# Altium PCB old-CPU-board-multi.PcbDoc (part 3 of 3)
Units mil, origin at the board's own origin, x right, y up, seen from the top; angles counter-clockwise.
Board outline 4897 x 3097 mil, 5 copper layers (L1, L1-2, L2, L3, L4); 329 components, 255 nets, 1009 pads, 327 vias.
Unrouted connection lines stored in the file: 94.
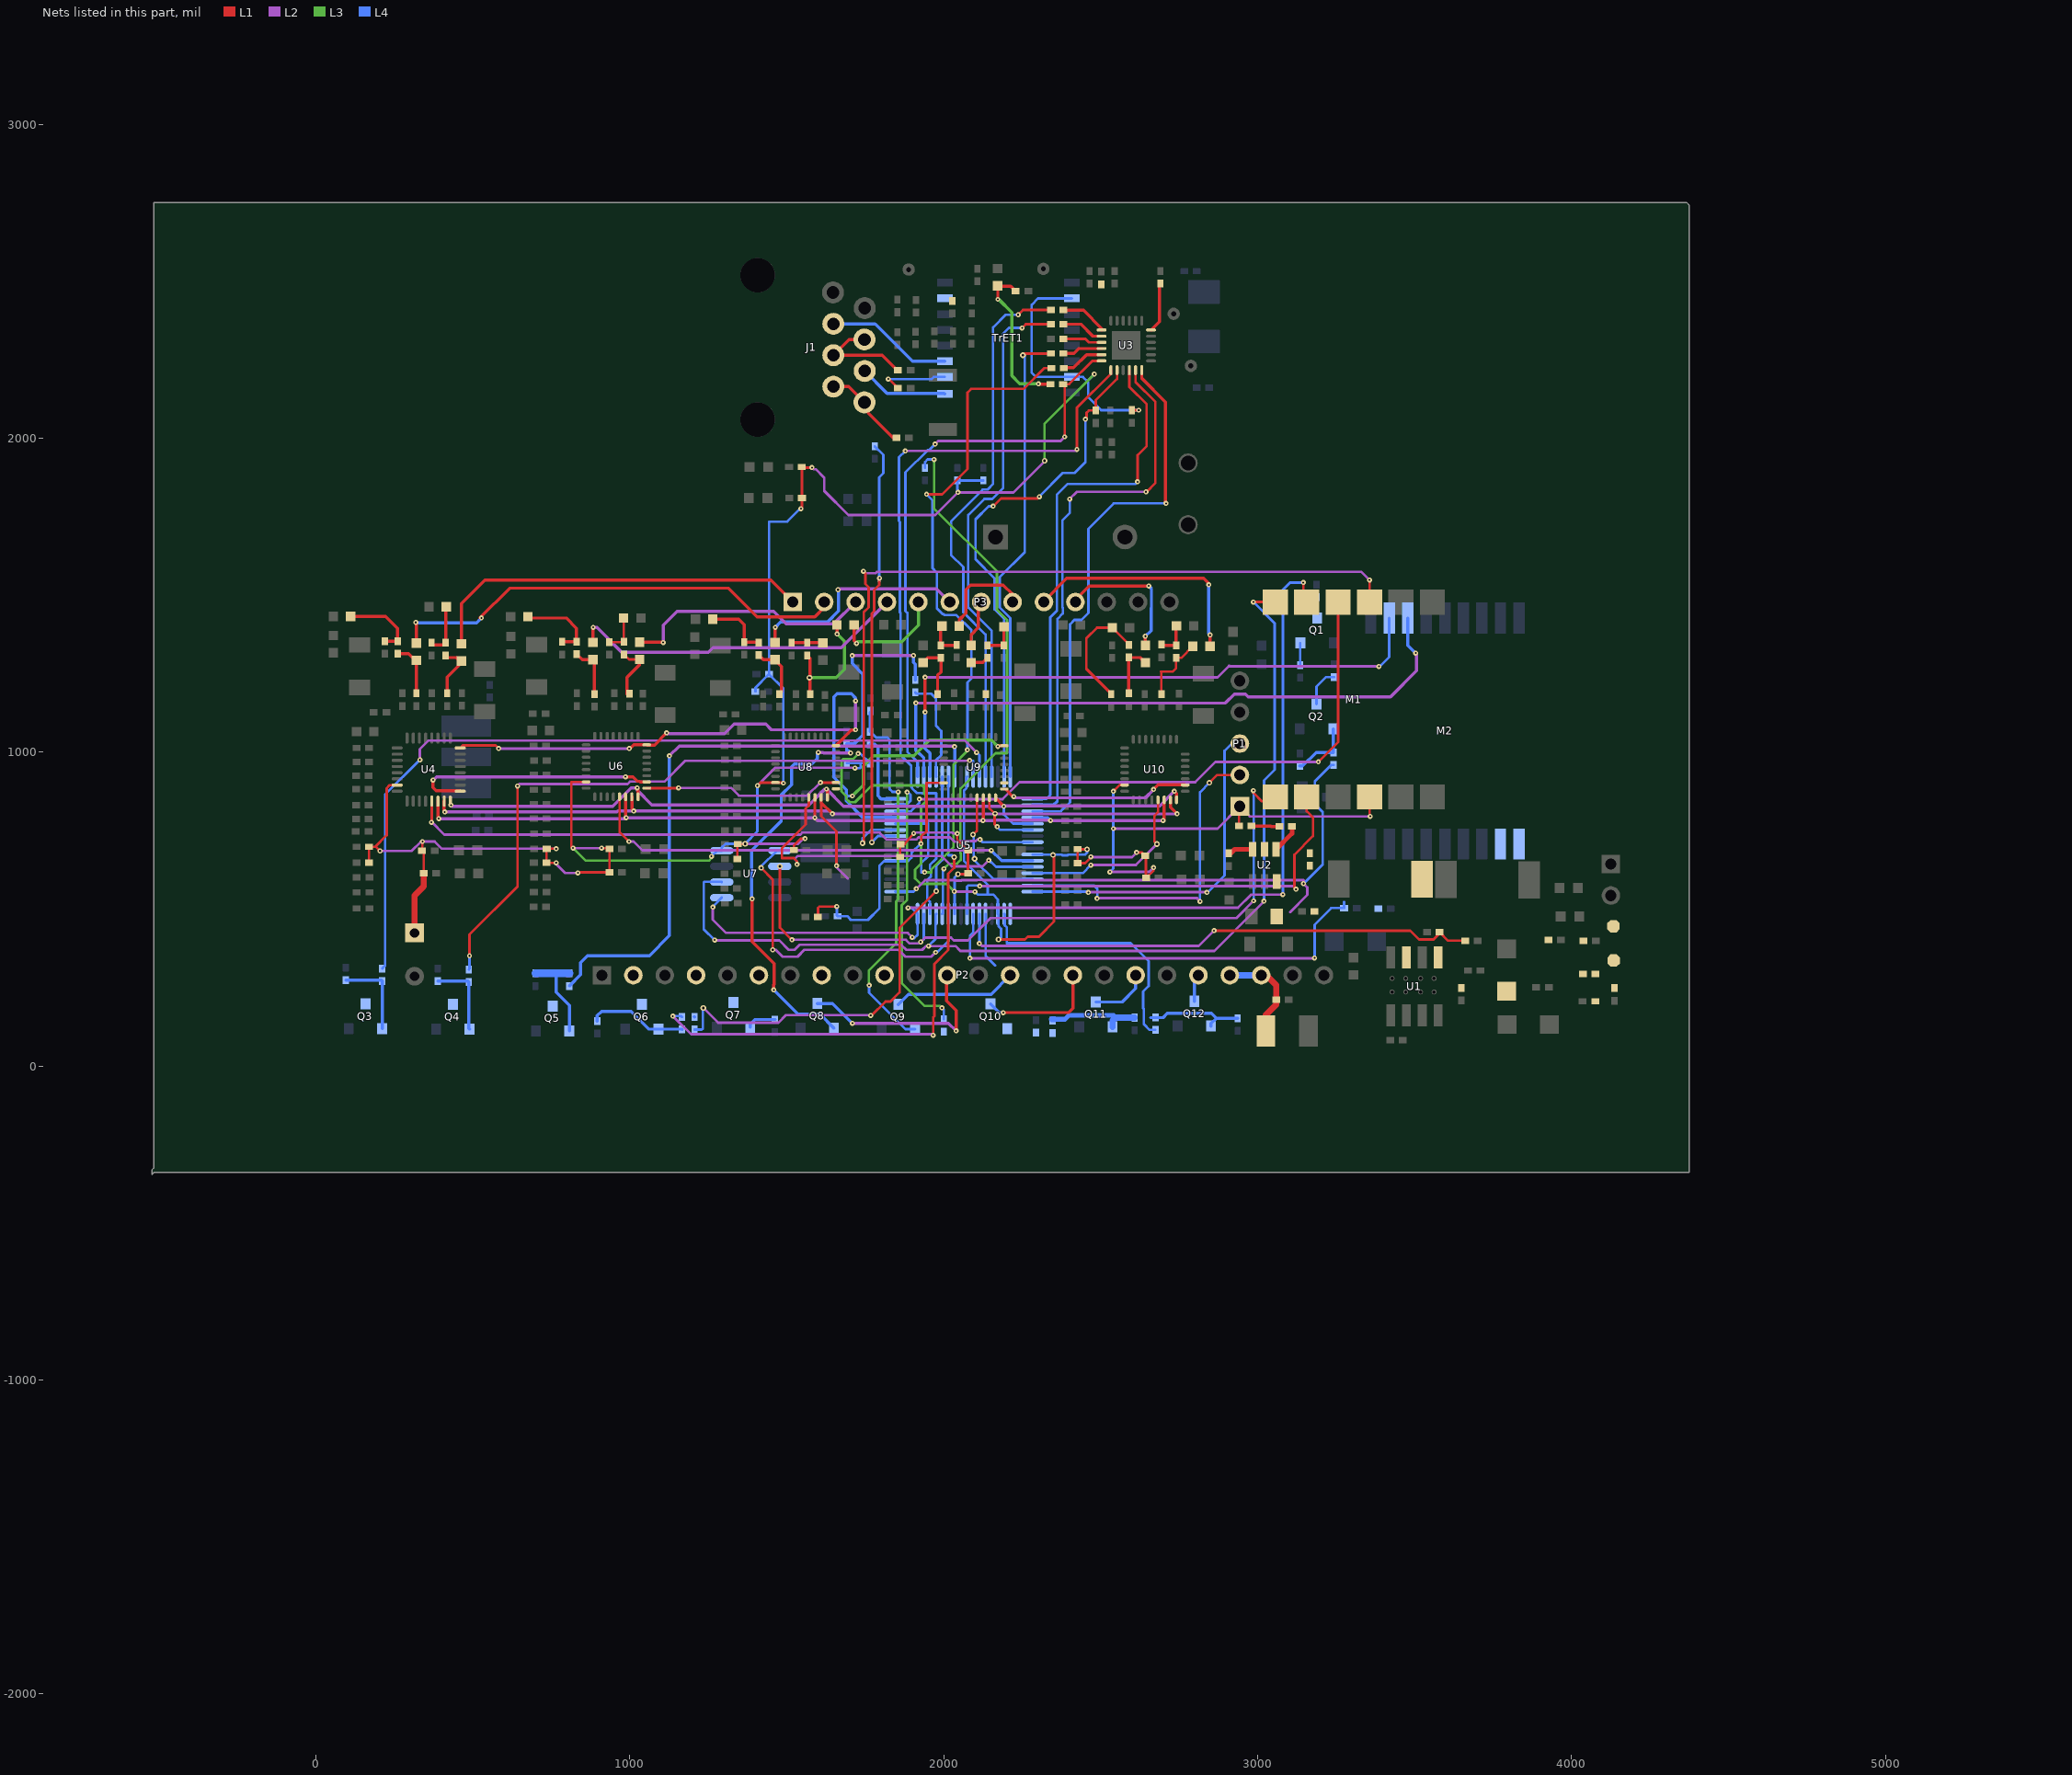
[diagram p5: the nets of this part, all layers, seen from the top]

## Via types
v1: diameter 16, hole 6, L1 to L4, 104 vias
v2: diameter 16, hole 6, L1 to L2, 95 vias
v3: diameter 16, hole 6, L2 to L4, 75 vias
v4: diameter 18, hole 8, L1 to L4, 23 vias
v5: diameter 16, hole 6, L3 to L4, 14 vias
v6: diameter 16, hole 6, L1 to L3, 9 vias
v7: diameter 25.98, hole 12.99, L1 to L4, tented top, 4 vias
v8: diameter 17.72, hole 7.87, L2 to L3, 3 vias

## Nets (pads, with @x,y where several pads share a name; then routed paths per layer and width w, separated by ;. In a path a pad name is that pad's centre, name@x,y a point inside that pad or via, vN(x,y) a via of type N, cw(c..) or ccw(c..) an arc to the next point about the centre after c; other vN are vias at no path point) (continued)
NetJ1_3: J1.3 TrET1.11 | length 404.3
  L4 w10: J1.3@1648,2364 1781,2364 1900,2245 TrET1.11@2003,2245
NetJ1_4: J1.4 J1.5 R27.1 | length 345.6
  L1 w10: J1.4@1747,2314 1698,2314 J1.5@1648,2264 1804,2264 1852,2216 R27.1@1854,2216
NetJ1_6: J1.6 TrET1.9 | length 285.4
  L4 w10: J1.6@1748,2214 1819,2143 2000.67,2143 TrET1.9@2003,2140.67
NetJ1_7: J1.7 J1.8 R34.1 | length 241.4
  L1 w10: J1.7@1648,2164 1697,2164 J1.8@1747,2114 ; 1760,2080 1839,2001 R34.1@1849,2001
NetL4_1: L4.1 P3.1 | length 1244.1
  L1 w10: L4.1@463,1345 463,1473 538,1548 1449,1548 P3.1@1519,1478
NetL4_2: L4.2 R40.2 R41.2 | length 173.3
  L1 w10: R41.2@413,1301 447,1301 463,1285 463,1284 418,1239 R40.2@418,1187
NetL5_2: L5.2 R41.1 R42.2 | length 165.8
  L1 w10: R42.2@367,1343 369,1341 413,1341 R41.1@413,1348 L5.2@413,1460
NetL7_1: L7.1 P3.2 | length 1494.7
  L1 w10: L7.1@320,1343 L7.1@320,1347 v1@320,1413 ; v1(527,1427) 522,1427 617,1522 1314,1522 1405,1431 1589,1431 1619,1461 P3.2@1619,1478
  L4 w10: v1(318,1413) 318,1412 512,1412 v1(527,1427)
NetL7_2: L7.2 R47.2 R49.2 | length 173
  L1 w10: R49.2@260,1313 295,1313 320,1288 L7.2@316,1284 ; R47.2@320,1187 L7.2@320,1284
NetL8_2: L8.2 R49.1 R50.2 | length 247.7
  L1 w10: L8.2@110,1432 222,1432 260,1394 R49.1@260,1353 R50.2@219,1353
NetL10_1: L10.1 P3.3 | length 809.2
  L1 w10: L10.1@1031,1350 1105,1350 1106,1351 v2(1106,1349)
  L2 w10: v2(1106,1349) 1106,1404 1150,1448 1458,1448 1498,1408 1649,1408 P3.3@1719,1478
NetL10_2: L10.2 R55.2 R57.2 | length 183.2
  L1 w8: R57.2@981,1311 997,1295 L10.2@1031,1295
  L1 w10: R55.2@991,1185 991,1238 1031,1278 L10.2@1031,1295
NetL11_2: L11.2 R57.1 R58.2 | length 123
  L1 w8: R58.2@934,1350 980,1350 L11.2@980,1427
NetL13_1: L13.1 P3.4 | length 1082.8
  L1 w10: L13.1@882,1349 v2@882,1397
  L2 w10: v2(883,1397) 895,1397 973.8,1318.2 1250.37,1318.2 1264.17,1332 1673,1332 P3.4@1819,1478
NetL13_2: L13.2 R63.2 R64.2 | length 170.5
  L1 w10: R64.2@830,1312 848,1294 L13.2@882,1294 887,1289 R63.2@887,1185
NetL14_2: L14.2 R64.1 R66.2 | length 258.7
  L1 w10: L14.2@675,1431 679,1427 797,1427 830,1394 R64.1@830,1352 829,1351 R66.2@784,1351
NetL16_1: L16.1 P3.5 | length 363.9
  L1 w10: L16.1@1714,1405 1714,1354 v6(1722,1346)
  L3 w10: v6(1722,1346) 1719,1346 1719,1347 1724,1352 1867,1352 1919,1404 P3.5@1919,1478
NetL16_2: L16.2 R74.2 R75.2 | length 403
  L1 w10: R75.2@1565,1308 1574,1299 v2(1574,1237) R74.2@1574,1185 ; v6(1660,1376) L16.2@1660,1404
  L2 w10: v8(1571,1237) v2(1574,1237)
  L3 w10: v8(1571,1237) 1657,1237 1683,1263 1683,1353 v6(1660,1376)
NetL17_2: L17.2 R75.1 R77.2 | length 100
  L1 w10: R77.2@1515,1348 R75.1@1565,1348 L17.2@1615,1348
NetL19_1: L19.1 P3.6 | length 716.9
  L1 w10: L19.1@1462,1349 1462,1396 v1(1463,1397)
  L2 w10: v3(1663,1517) 1666.33,1520.33 1976.67,1520.33 P3.6@2019,1478
  L4 w10: v1(1463,1397) 1480,1414 1630,1414 1665,1449 1665,1517 v3(1663,1517)
NetL19_2: L19.2 R80.2 R82.2 | length 181.2
  L1 w10: R82.2@1410,1309 1425,1294 L19.2@1462,1294 1483,1273 1483,1191 R80.2@1475,1183
NetL20_2: L20.2 R82.1 R83.2 | length 209.5
  L1 w10: L20.2@1264,1423 1347,1423 1364,1406 R83.2@1364,1350 1409,1350 R82.1@1410,1349
NetL22_1: L22.1 P3.7 | length 151.3
  L1 w10: L22.1@2087,1340 2087,1374 2110,1397 2110,1469 P3.7@2119,1478
NetL22_2: L22.2 R87.2 R88.2 | length 58.2
  L1 w10: L22.2@2087,1285 2124,1285 R88.2@2139,1300
NetL23_2: L23.2 R88.1 R89.2 | length 121.3
  L1 w10: R88.1@2139,1340 R89.2@2191,1340 L23.2@2191,1398 ; L23.2@2184,1391 L23.2@2191,1398 ; L23.2@2192,1399 L23.2@2191,1398
NetL25_1: L25.1 P3.8 | length 316.3
  L1 w10: L25.1@2049,1401 2049,1421 2070,1442 2070,1517 2085,1532 2189,1532 2219,1502 P3.8@2219,1478
NetL25_2: L25.2 R92.2 R94.2 | length 114.1
  L1 w10: L25.2@1994,1401 1990,1397 R94.2@1990,1340 2040,1340 R92.2@2041,1341
NetL26_2: L26.2 R94.1 R95.2 | length 182.2
  L1 w10: L26.2@1934,1285 1949,1300 R94.1@1990,1300 1991,1299 1991,1255 1980,1244 R95.2@1980,1185
NetL28_1: L28.1 P3.9 | length 766.1
  L1 w10: P3.9@2319,1478 2319,1481 2391,1553 2828,1553 2844,1537 v1(2844,1533) ; L28.1@2848,1337 v1(2848,1373)
  L4 w10: v1(2844,1533) 2844,1377 v1(2848,1373)
NetL28_2: L28.2 R101.2 R103.2 | length 225.3
  L1 w8: R101.2@2693,1185 2693,1255 2692,1256 2729,1256 2740,1267 R103.2@2740,1300 2756,1300 L28.2@2793,1337
NetL29_2: L29.2 R103.1 R104.2 | length 110.2
  L1 w10: R104.2@2693,1342 2695,1340 R103.1@2740,1340 2740,1401 L29.2@2741,1402
NetL31_1: 
NetL31_2: L31.2 R109.2 R110.2 | length 173.6
  L1 w10: R109.2@2589,1187 R110.2@2589,1301 2626,1301 L31.2@2642,1285
NetL32_2: L32.2 R110.1 R111.2 | length 384.3
  L1 w8: R111.2@2533,1184 2533,1186 2454,1265 2454,1362 2488,1396 L32.2@2537,1396 2589,1344 R110.1@2589,1341
NetM1_3: M1.3 U5.43 | length 2715.6
  L1 w8: v4(1741,710) 1745,710 1745,1445.55 1760.33,1460.88 1760.33,1525.33 1750,1535.66 1750,1570 v2(1744,1576) ; M1.3@3356,1477 v2(3356,1548)
  L2 w8: v2(1744,1576) 1750,1570 1783,1570 1786.8,1573.8 3330.2,1573.8 v2(3356,1548)
  L4 w8: v4@1745,710 v4(1741,710) 1741,725 1768.21,752.21 U5.43@1845.5,752.21
NetM1_4: M1.4 U5.46 | length 1953.8
  L1 w8: v2(3193,969) 3256,1032 M1.4@3256,1477
  L2 w8: v3(1922,850) 2187,850 2241,904 2801,904 2865.33,968.33 3192.33,968.33 v2(3193,969)
  L4 w8: U5.46@1845.5,811.27 1895,811.27 1922,838.27 v3(1922,850)
NetM1_5: M1.5 U5.32 U7.5 | length 3192.9
  L1 w8: v1(3145,1540) 3145,1488 M1.5@3156,1477
  L2 w8: v3(1264,506) 1264,466 1306,424 1885,424 v3(1899,410) ; v3(1886,504) 2937,504 2978.8,545.8 3075.8,545.8 3076,546 v3(3080,546)
  L4 w8: v3(1264,506) 1264,507.52 U7.5@1292.48,536 ; v3(1886,504) 1896.86,504 U5.32@1916.36,484.5 1916.36,417.36 1906,407 1902,407 v3(1899,410) ; v3(3080,546) 3080,1517 3103,1540 v1(3145,1540)
NetM1_6: M1.6 U5.29 U7.6 | length 3288.1
  L1 w8: v1(2986,1478) 3055,1478 M1.6@3056,1477
  L2 w8: v3(1270,401) 1271,400 1476,400 1506,370 1524,370 1540,386 1865,386 1881,370 1931,370 1943,382 v3(1951,382) 2037,382 2052.6,366.4 2861.4,366.4 v3(3020,525)
  L4 w8: v3(1270,401) 1235,436 1235,584 1238,587 1291.48,587 U7.6@1292.48,586 ; v3(1951,382) 1973.44,404.44 1973.44,482.52 U5.29@1975.42,484.5 ; v1(2986,1478) 3054,1410 3054,944 3020,910 v3(3020,525)
NetM1_7: M1.7 U5.31 U7.2 | length 2311.5
  L1 w8: v4(1477.52,636) 1477.52,440.48 v2(1516,402) ; v1(2986,877) 2986,869.81 3012.61,843.2 3047.39,843.2 M1.7@3050,845.81
  L2 w8: v2(1516,402) 1879.2,402 1879.2,401.8 1890.8,390.2 v3@1921.2,390.2 ; v3(1926,395) 1940,409 2023,409 2032,400 2077,400 2148,471 2932,471 v3(2987,526)
  L4 w8: v3@1926.5,394.5 1936.05,404.05 U5.31@1936.05,484.5 ; v1(2986,877) 2987,876 v3(2987,526)
NetM1_8: M1.8 U5.24 | length 1470
  L1 w8: v2(3122,563) 3117,568 3117,673 3176,732 3176,792 3156,812 M1.8@3156,857
  L2 w8: v3(2114.46,573.2) 3111.8,573.2 v2(3122,563)
  L4 w8: U5.24@2073.84,484.5 2073.84,571.16 2077.48,574.8 2112.86,574.8 v3(2114.46,573.2)
NetM2_11: M2.11 U5.51 | length 1954.5
  L1 w10: v1(1940,1127) v2(1940,1238)
  L2 w8: v2(1940,1238) 2872,1238 2909,1275 2911,1273 v3(3386,1273)
  L4 w8: v3(3386,1273) 3389,1273 3418.89,1302.89 M2.11@3418.89,1427
  L4 w10: v1(1940,1127) 1940,1012 1955.73,996.27 U5.51@1955.73,921.5
NetM2_12: M2.12 U5.50 | length 2072.3
  L2 w10: v3(1911,1156) 2897,1156 2925.67,1184.67 2960.53,1184.67 2969.2,1176 3423,1176 3506,1259 3506,1315 v3(3503,1315)
  L4 w10: v3(1911,1156) 1911,1005 1922,994 1924,994 1936.05,981.95 U5.50@1936.05,921.5 ; M2.12@3477.94,1427 3477.94,1340.06 v3(3503,1315)
NetP1_2: P1.2 U5.15 | length 1076
  L1 w8: v4(2846,902) 2871,927 P1.2@2943,927
  L2 w8: v3(2488,534) 2487,535 2808,535 2808,532 v3(2816,524)
  L4 w8: U5.15@2282.5,575.05 2477.95,575.05 2489,564 2489,535 v3(2488,534) ; v3(2816,524) 2816,872 v4(2846,902)
NetP1_3: P1.3 U5.16 | length 1090.8
  L2 w8: v3(2460,553) 2460,554 2837,554 v3(2838,553)
  L4 w8: U5.16@2282.5,555.36 2455.64,555.36 2457,554 2458.36,555.36 2460,553.72 v3(2460,553) ; v3(2838,553) v3@2840,551 ; v3@2842.36,555.36 2894,607 2894,1004 2917,1027 P1.3@2943,1027
NetP2_1: 
NetP2_2: P2.2 Q3.C
NetP2_3: 
NetP2_4: P2.4 Q4.C
NetP2_5: 
NetP2_6: P2.6 Q5.C
NetP2_7: 
NetP2_8: P2.8 Q6.C
NetP2_9: 
NetP2_10: P2.10 Q7.C
NetP2_11: 
NetP2_12: P2.12 Q8.C | length 665.5
  L1 w10: P2.12@2009,287 2009,207 2039,177 v1(2039,112)
  L2 w10: v3(1709,136) 2015,136 v1(2039,112)
  L4 w10: Q8.C@1597,199 1646,199 v3(1709,136)
NetP2_13: 
NetP2_14: P2.14 Q9.C | length 394.5
  L4 w10: Q9.C@1855,196 1887.26,228.26 2150.26,228.26 P2.14@2211,289
NetP2_15: 
NetP2_16: P2.16 Q10.C | length 384.4
  L1 w10: v1(2189,170) 2397,170 2411,184 P2.16@2411,289
  L4 w10: Q10.C@2148.85,197.74 2176.59,170 v1(2189,170)
NetP2_17: 
NetP2_18: P2.18 Q11.C | length 186.8
  L4 w10: Q11.C@2484.15,203.74 2567.74,203.74 2611,247 P2.18@2611,289
NetP2_19: 
NetP2_20: P2.20 Q12.C | length 70
  L4 w10: Q12.C@2798,206 P2.20@2798,276
NetP3_10: L31.1 P3.10 | length 459.7
  L1 w10: P3.10@2419,1478 2419,1485 2463,1529 v1(2653,1529) ; L31.1@2642,1340 v1(2642,1369)
  L4 w10: v1(2642,1369) 2660,1387 2660,1457.81 2661.33,1459.14 2661.33,1520.67 v1(2653,1529)
NetQ1_C: Q1.C R10.2
NetQ1_E: Q1.E R4.1 | length 70.4
  L4 w8: R4.1@3135,1277 Q1.E@3135,1347.41
NetQ2_B: Q2.B R13.1 R16.1 | length 199.1
  L4 w10: R16.1@3134,956 3143,956 3186,999 R13.1@3241,999 Q2.B@3241,1073.3
NetQ2_C: Q2.C R9.1 | length 124
  L4 w8: Q2.C@3187.15,1152.74 3187.15,1208.15 3218,1239 R9.1@3243,1239
NetQ3_B: Q3.B R48.2 R51.2 | length 268.2
  L4 w10: R51.2@95,273 208,273 R48.2@211,270 Q3.B@211,119
NetQ4_B: Q4.B R54.2 R56.2 | length 250.9
  L4 w10: R56.2@388,270 484,270 R54.2@487,267 487,119.41 Q4.B@489.15,117.26
NetQ5_B: Q5.B R60.2 R62.2 | length 308.4
  L4 w10: 765,295 765,235 807,193 Q5.B@807,112
  L4 w25: R62.2@699,295 765,295 R60.2@807,295
NetQ6_B: Q6.B R65.2 R71.2 | length 316.8
  L4 w10: R71.2@896,143 896,160 910,174 1004,174 1060.74,117.26 Q6.B@1091.15,117.26 1164.74,117.26 R65.2@1166,116
NetQ7_B: Q7.B R73.2 R76.2 | length 96.3
  L4 w10: R73.2@1205,157 R73.2@1206,156 ; Q7.B@1383.15,123.26 1383.15,133.15 1398,148 R76.2@1462,148
NetQ8_B: Q8.B R79.2 R81.2 | length 1898.9
  L1 w10: v1(1389,532) 1389,396 1459,326 1459,260 1458,259 v1(1458,242) ; v2(1903,1308) 1903.8,1307.2 v1(1903.8,1307.14)
  L2 w10: v3(1600,999) 1615,999 1617,997 v3(1703,997) ; v3(1708,1307) 1709,1308 v2(1903,1308)
  L4 w10: v1(1389,532) 1388,533 1388,686.58 1482,780.58 1482,864 1514.5,896.5 1514.5,952.5 1524,962 1580,962 1597.5,979.5 1597.5,996.5 v3(1600,999) ; v1(1458,242) 1535,165 1605.41,165 Q8.B@1650.15,120.26 ; v3(1703,997) 1696,1004 1690,1004 R81.2@1690,1027 1715,1027 1742,1054 1742,1248 1708,1282 v3(1708,1307) ; v1(1903.8,1307.14) 1903.8,1285.2 1909,1280 R79.2@1909,1230
NetQ9_B: Q9.B R91.2 R93.2 | length 1201.5
  L3 w8: v5(1762,257) 1759,257 1761,259 1761,304 1848,391 1848,524 1854.34,530.34 v5(1854.34,873)
  L4 w8: v5(1762,257) 1762,233 1877.74,117.26 Q9.B@1908.15,117.26 ; R91.2@1765.6,1065 1784.6,1046 1820,1046 1827,1039 1827,882 1836,873 v5(1854.34,873) v5@1857,873
  L4 w10: R91.2@1765.6,1065 R91.2@1765,1065 1765,1125 R93.2@1766,1126
NetQ10_B: Q10.B R97.2 R99.2
NetQ11_B: Q11.B R102.2 R105.2 | length 295.4
  L4 w15: R102.2@2352,149 2386,149 2398,161 2541,161
  L4 w20: R102.2@2344,149 R102.2@2352,149 ; Q11.B@2537.3,125 2537.3,143.3 2548,154 R105.2@2608,154
NetQ12_B: Q12.B R107.2 R108.2 | length 321.1
  L4 w10: 2659,154 2698,154 2712,168 2852,168 2868,152 ; Q12.B@2851.15,127.26 2851.15,135.15 2868,152 ; R108.2@2936,152 2868,152
NetR1_1: R1.1 U1.7
NetR3_1: R3.1 R7.2 U5.23 | length 1485.2
  L2 w8: v3(2083,343) 3180,343 v3(3181,344)
  L4 w8: v3(2083,343) 2083,414 2093.53,424.53 U5.23@2093.53,484.5 ; v3(3181,344) 3181,450 3234,503 R7.2@3275,503 3275,522
NetR5_2: R5.2 R6.1 U1.5
NetR12_1: R12.1 R15.2 U5.22 | length 1700.7
  L1 w8: v2(2861,431) 3486,431 3514,403 3560,403 3579,422 R12.1@3579,426 3606,399 R15.2@3661,399
  L2 w8: v3(2113,390) 2120.8,382.2 2812.2,382.2 v2(2861,431)
  L4 w8: v3(2113,390) 2113.21,390.21 U5.22@2113.21,484.5
NetR13_2: R13.2 U5.33 | length 1887.4
  L2 w8: v3(1912.36,564.36) 1940,592 2034.58,592 ; 2036.38,590.2 2055.2,590.2 2057,592 2105.26,592 2106.26,593 2122.66,593 2123.66,592 3146,592 v3(3146,581) 3158,569 3158,545 3103,490
  L4 w8: U5.33@1845.5,555.36 1903.36,555.36 v3(1912.36,564.36) ; v3(3146,581) 3207,642 3207,809 3182,834 3182,907 3234,959 R13.2@3241,959
NetR14_2: R14.2 U2.6 | length 82.1
  L1 w15: R14.2@2907,677 2913,677 2926.18,690.18 U2.6@2983.63,690.18
NetR17_1: R17.1 U2.5
NetR18_1: R18.1 R19.2 R21.2 | length 87
  L1 w10: R19.2@2980,764 3041,764 ; 3043,763 R18.1@3069,763
NetR18_2: R18.2 U2.4 | length 93.8
  L1 w15: U2.4@3058.43,690.18 3109,740.75 R18.2@3109,763
NetR22_1: R22.1 U3.12 U5.49 | length 1862.7
  L1 w8: v2(2385,2004) 2385,2167 R22.1@2380,2172 2399,2172 2473,2246 U3.12@2502.52,2246
  L2 w8: v3(1972,1981) 1982,1991 2372,1991 v2(2385,2004)
  L4 w8: 1916.36,968.64 1884,1001 1884,1443 1877.67,1449.33 1877.67,1890.67 1949,1962 1953,1962 v3(1972,1981)
  L4 w10: U5.49@1916.36,921.5 1916.36,968.64
NetR28_2: R28.2 TrET1.15
NetR29_1: R29.1 U3.8 | length 137.4
  L1 w10: R29.1@2381,2363 2436,2363 2474.26,2324.74 U3.8@2502.52,2324.74
NetR29_2: R29.2 U5.61 | length 1667.7
  L1 w8: v1(2249,2351) 2261,2363 R29.2@2341,2363
  L4 w8: U5.61@2152.58,921.5 2152.58,1385.97 2077.67,1460.88 2077.67,1754.67 2129,1806 2154,1806 2189,1841 2189,2333 2207,2351 v1(2249,2351)
NetR30_1: R30.1 U3.7 | length 150.8
  L1 w10: R30.1@2381,2408 2382,2407 2445,2407 2502.52,2349.48 U3.7@2502.52,2344.42
NetR30_2: R30.2 U5.60 | length 1748.1
  L1 w8: v1(2237,2393) 2252,2408 R30.2@2341,2408
  L4 w8: U5.60@2132.9,921.5 2132.9,1374.1 2061.87,1445.13 2061.87,1589 2023,1627.87 2023,1735 2124,1836 2139,1836 2157,1854 2157,2353 2197,2393 v1(2237,2393)
NetR31_1: R31.1 U3.11 | length 138.2
  L1 w10: R31.1@2382,2223 2383,2224 2413,2224 2454.68,2265.68 U3.11@2502.52,2265.68
NetR31_2: R31.2 U5.44 | length 2346.9
  L1 w8: v1(1945,1821) 1995,1821 2075.2,1901.2 2075.2,2145.2 2086.8,2156.8 2253.8,2156.8 2320,2223 R31.2@2342,2223
  L3 w8: v5(1939,617) 1960,617 1960,626 2031,697 2031,960 2073.8,1002.8 2074,1002.8 2074,1004 2075,1005 v5(2075,1007)
  L4 w8: U5.44@1845.5,771.9 1950.1,771.9 1950.1,667.9 1928,645.8 1928,617 v5(1939,617) ; v1(1945,1821) 1964.2,1801.8 1964.2,1585.8 1977.67,1572.33 1977.67,1458.33 1997,1439 1999.55,1439 2001.88,1436.67 2039.33,1436.67 2088,1388 2088,1235 2075,1222 v5(2075,1007)
NetR32_1: R32.1 U3.10 | length 127.9
  L1 w10: R32.1@2381,2270 2415,2270 2430.37,2285.37 U3.10@2502.52,2285.37
NetR32_2: R32.2 U5.64 | length 1487.3
  L1 w8: v4(2252,2264) 2257,2269 2340,2269 R32.2@2341,2270
  L4 w8: U5.64@2211.64,921.5 2211.64,1426.92 2177.67,1460.88 2177.67,1495.45 2178,1495.77 2178,1557 2258,1637 2258,2264 v4(2252,2264)
NetR33_2: R33.2 TrET1.10 | length 225.9
  L1 w8: v1(1823,2188) 1825,2188 R33.2@1854,2159
  L4 w8: v1(1823,2188) 1961.2,2188 1968.2,2195 TrET1.10@2003,2195
NetR35_2: R35.2 U3.14 U5.63 | length 1630.7
  L1 w8: v1(2157,1783) 2182,1808 2293,1808 2294,1807 2298,1807 v1(2304,1813) ; v1(2451,2060) 2455,2064 2455,2081 2462,2088 R35.2@2484,2088 2484,2121 2551.73,2188.73 U3.14@2551.73,2216.47
  L4 w8: v1(2157,1783) 2143,1783 2101,1741 2101,1614 2162,1553 2162,1513 2161.87,1512.87 2161.87,1454.34 2191.95,1424.26 U5.63@2191.95,921.5 ; v1(2304,1813) v1@2304,1814 ; v1@2305,1815 2379,1889 2417,1889 2451,1923 v1(2451,2060)
NetR37_2: R37.2 U3.24 | length 161.8
  L1 w10: U3.24@2660,2344.42 2687,2371.42 2687,2492 R37.2@2690,2492
NetR48_1: R48.1 U5.59 | length 2630.7
  L2 w8: v3(331,975) 331,1009.6 358.2,1036.8 2066.2,1036.8 v3(2104,999)
  L4 w8: R48.1@211,310 220,319 220,864 v3(331,975) ; v3(2104,999) 2113,990 2113.21,990 U5.59@2113.21,921.5
NetR54_1: R54.1 U5.58 | length 2183.3
  L1 w8: v1(489,351) 489,419 642,572 v2(642,892)
  L2 w8: v2(642,892) 648,898 992.24,898 1000.04,905.8 1109.8,905.8 1176,972 v3@2081,972 ; v3@2082,971 v3(2082,973)
  L4 w8: R54.1@487,307 489,309 v1(489,351) ; v3@2083.53,971.47 2093.53,971.47 U5.58@2093.53,921.5
NetR60_1: R60.1 U5.55 | length 2002.7
  L2 w10: v3(1126,988) 1157,1019 2036,1019 v3(2034,1017)
  L4 w10: R60.1@807,255 807.6,255 843,290.4 843,329 865,351 1062,351 1126,415 v3(1126,988) ; v3(2034,1017) 2035,1016 2034.47,1015.47 U5.55@2034.47,921.5
NetR65_1: R65.1 U5.54 | length 1750.5
  L1 w8: v2(1966,98) 1966,155 1969.67,158.67 1969.67,324.67 2014,369 2014,612 2033,631 v4(2033,665)
  L2 w8: v3(1137,159) 1195,101 1963,101 v2(1966,98)
  L4 w8: v3(1137,159) 1163,159 R65.1@1166,156 ; U5.54@2014.79,921.5 2014.79,671 2027,671 v4(2033,665)
NetR67_2: R67.2 U5.42 | length 1382.8
  L1 w8: v4(1770.5,712.5) 1770.5,1441.5 1777.67,1448.67 1777.67,1515.67 1794,1532 1794,1553 v1(1795,1554)
  L4 w8: v4(1770.5,712.5) 1777.2,719.2 1777.2,719.62 1789.38,731.8 1789.8,731.8 1790.53,732.53 U5.42@1845.5,732.53 ; R67.2@1780,1974 1807,1947 1807,1888 1794,1875 1794,1543
NetR68_2: R68.2 U5.28 | length 1716.8
  L3 w8: v5(1969,1932) 1969,1776 2169,1576 2169,1453 2201,1421 2201,996 2165,996 2053,884 2053,678.51 2053.8,677.71 2053.8,656.38 2041.62,644.2 2016.2,644.2 v5(2000,628)
  L4 w8: R68.2@1940,1905 1940,1924 1948,1932 v5(1969,1932) ; U5.28@1995.1,484.5 1996.8,486.19 1996.8,624.8 v5(2000,628)
NetR73_1: R73.1 U5.53 | length 1530.6
  L1 w8: v2(1767,161) 1770,161 1814,205 1830,205 1859,234 1859,440 v4(1976,557)
  L2 w8: v4(1234,185) 1281,138 1473,138 1497,162 v2@1771,162
  L4 w8: R73.1@1206,116 1229,116 1232,119 1232,187 v4(1234,185) ; v4(1976,557) 1976,636.8 1995.1,655.9 U5.53@1995.1,921.5
NetR79_1: R79.1 U5.52 | length 337.6
  L4 w8: R79.1@1909,1190 1913,1186 1960,1186 1975,1171 1975,1084 1992,1067 1992,991 1975,974 1975,921.92 U5.52@1975.42,921.5
NetR91_1: R91.1 U5.48 | length 243.1
  L4 w10: R91.1@1765,1025 1780,1025 1790,1015 1790,860.64 1800,850.64 U5.48@1845.5,850.64
NetR97_1: R97.1 U5.47 | length 902.4
  L3 w8: v5(1882.95,872.34) 1882.95,528.96 1866.2,512.2 1866.2,264.25 1939.45,191 1988,191 v5(1994,185)
  L4 w8: U5.47@1845.5,830.95 1847.48,832.93 1882.36,832.93 1894,844.58 1894,864 1886,872 1883,872 v5(1882.95,872.34) v5(1882.95,872.34) ; v5(1994,185) 2000,179 R97.1@2000,149
NetR102_1: R102.1 U5.21 | length 177.4
  L4 w8: U5.21@2132.9,484.5 2132.9,351.1 2164,320
NetR107_1: R107.1 U5.18 | length 824.9
  L4 w8: U5.18@2191.95,484.5 2193.93,482.52 2193.93,447.63 2200.9,440.66 2200.9,391 2595,391 2652.33,333.67 2652.33,254.55 2635,237.23 2635,183 2637,181 2637,134 2656,115 R107.1@2674,115
NetU3_13: U3.13 U5.30 | length 2432.8
  L1 w8: v2(2424,1964) 2424,2097 2532.05,2205.05 U3.13@2532.05,2216.47
  L2 w8: v3(1877,1959) 2419,1959 v2(2424,1964)
  L4 w8: v3(1877,1959) 1857,1939 1857,1736 1860.2,1732.8 1860.2,1697.46 1860.33,1697.33 1860.33,1444.67 1861.87,1443.13 1861.87,991.13 1896,957 1896,889 1898.66,886.34 1898.66,884.64 1913.65,869.65 1913.8,869.8 1930.2,869.8 1931,869 1976,869 1976,660 1955.73,639.73 1955.73,628.27 1958.8,625.2 1958.8,603.99 1947,592.19 1947,532.04 1955.73,523.31 U5.30@1955.73,484.5
NetU3_16: U3.16 U5.1 | length 1691.2
  L1 w8: U3.16@2591.1,2216.47 2591.1,2162.9 2646,2108 2646,1975 2617,1946 v1(2617,1861)
  L4 w8: U5.1@2282.5,850.64 2326.64,850.64 2339,863 2339,1429 2360.33,1450.33 2360.33,1778.67 2360,1779 2360,1819 2395,1854 2610,1854 v1(2617,1861)
NetU3_17: U3.17 U5.2 | length 1741.9
  L1 w8: U3.17@2610.79,2216.47 2610.79,2178.21 2674,2115 2674,1857 v2@2646,1829
  L2 w8: v3(2401,1806) 2424,1829 v2(2644,1829)
  L4 w8: 2360,842 2362,844 2362,1424 2379,1441 2379,1459.55 2377.67,1460.88 2377.67,1738 2401,1761.33 v3(2401,1806)
  L4 w10: U5.2@2282.5,830.95 2348.95,830.95 2360,842
NetU3_18: U3.18 U5.3 | length 1776.6
  L1 w10: U3.18@2630.47,2216.47 2630.47,2190.53 2706,2115 v1@2706,1792
  L4 w8: U5.3@2282.5,811.27 2373.27,811.27 2402,840 2402,1407 2416,1421 2438,1421 2460.33,1443.33 2460.33,1711.33 2541,1792 v1(2708,1792)
NetU4_1: U4.1 U6.2 | length 806.6
  L1 w10: v2(373,911) 373,887 382.93,877.07 457.43,877.07 U4.1@459.39,875.1 ; v2(986,921) 1010,921 1024.2,906.8 1031.62,906.8 1033.63,904.79 U6.2@1053.46,904.79
  L2 w10: v2(373,911) 374,911 384,921 v2(986,921)
NetU4_8: U4.8 U5.45 U6.8 U8.8 U9.8 | length 2723.1
  L1 w8: U4.8@459.39,1012.9 467.5,1021 572,1021 v2(582,1011)
  L1 w10: v2(998,1011) 1001,1011 1012.9,1022.9 U6.8@1053.46,1022.9 ; U6.8@1054.35,1022 1078,1022 v2(1117,1061) ; U8.8@1656.46,1020.9 1705.56,1070 1719,1070 v2(1719,1071) ; v6(2171.96,1017.88) 2171.96,1018.75 2173.1,1019.9 U9.8@2192.46,1019.9
  L2 w10: v2(582,1011) v2(998,1011) ; v2(1117,1061) 1120,1058 1301,1058 1332,1089 1433,1089 1451,1071 v2(1719,1071) v3(1719,1163)
  L3 w10: v5(1709,860) 1743,894 1743,955 1776,988 1905,988 1954.8,1037.8 2042.62,1037.8 2042.83,1037.59 2081.02,1037.59 2081.23,1037.8 2152.03,1037.8 v6(2171.96,1017.88)
  L4 w10: v5(1709,860) 1691,860 1689,862 ; v3(1719,1163) 1719,1172 1705,1186 1660,1186 1649.2,1175.2 1649.2,919.8 1689,880 1689,862 ; U5.45@1845.5,791.58 1741.42,791.58 1689,844 1689,862
NetU4_29: U4.29 U5.8 | length 2025.2
  L1 w10: v2@368.84,777.16 U4.29@368.84,843.61
  L2 w8: v2(368,776) 368.84,776.84 368.84,777.16 409,737 1543,737 1549.8,743.8 1566.2,743.8 1566.8,743.2 1795.22,743.2 1817.22,721.2 1912.2,721.2 1919,728 2020,728 2033.8,714.2 2050.2,714.2 2052.2,716.2 2101.62,716.2 2106.42,721 v3(2115,721)
  L4 w8: v3(2115,721) 2123.16,712.84 U5.8@2282.5,712.84
NetU4_30: U4.30 U5.4 U6.30 U8.30 U9.30 U10.30 | length 2701.8
  L1 w10: U4.30@388.53,843.61 388.53,790.47 v2(391,788) ; v2@986.53,791.53 U6.30@986.53,857.54 ; v2(1589,791) 1589,855.02 U8.30@1589.53,855.54 ; v2(2124.8,782.2) 2125.53,782.93 U9.30@2125.53,854.54 ; v2(2698.2,782.2) 2701.98,785.98 U10.30@2701.98,847.7
  L2 w10: v2(391,788) 985,788 v2(988,791) v2(1589,791) 1597.8,782.2 v2(2124.8,782.2) 2125,782 2160.58,782 2161.38,782.8 2339.2,782.8 v3(2340,782) ; v3@2340,782.2 v2(2698.2,782.2)
  L4 w8: U5.4@2282.5,791.58 2331,791.58 2340,782.58 v3(2340,782)
NetU4_31: U4.31 U5.6 U6.31 U8.31 U9.31 U10.31 | length 3032.5
  L1 w8: U8.31@1609.21,855.54 1609.21,838.79 1609.21,795.79 1658,747 v2(1658,638) ; U9.31@2145.21,854.54 2145.21,820.79 v2(2162,804) 2162,770 v5(2170,762) ; v2@2163,803 v2(2164,804)
  L1 w10: U4.31@408.21,843.61 408.21,809.21 408.42,809 v2(410,809) ; 1006.21,819 U6.31@1006.21,857.54 ; 1609.21,838.79 v2(1645,803) ; U10.31@2721.67,847.7 2721.67,824.33 v2(2743,803)
  L2 w8: v2(1658,638) 1658,633 1694,597 ; v2(2162,804) v2(2164,804)
  L2 w10: v2(410,809) 959,809 962,812 v2(1012,812) 1636,812 v2(1645,803) v2@2162,803 ; v2@2164,803 v2(2743,803)
  L3 w8: v5(2170,762) v5@2170.8,761.2
  L4 w8: v5(2170,762) 2179.79,752.21 U5.6@2282.5,752.21
NetU4_32: U4.32 U5.5 U6.32 U8.32 U9.32 U10.32 | length 2672
  L1 w10: v2(1023,886) 1025.9,883.1 U6.32@1025.9,857.54 ; v2(1626,882) 1628.9,879.1 U8.32@1628.9,855.54 ; U9.32@2164.9,853.1 v2(2191,827) ; v2(2734,875) 2741.35,867.65 U10.32@2741.35,847.7
  L2 w10: v2(430,831) 430,830 433.2,826.8 944.8,826.8 1004,886 v2(1023,886) 1023,879 1070,832 1571,832 1621,882 v2(1626,882) 1681,827 v2(2191,827) ; v2@2193,829 2688,829 v2(2734,875)
  L4 w8: v2(2191,827) 2191,801 2220.1,771.9 U5.5@2282.5,771.9
NetU5_11: U5.11 U6.29 | length 1465.4
  L1 w8: 966.84,744 U6.29@966.84,857.54 ; 968,744 v2(997,715)
  L2 w8: 1012,715 1040,687 v3(2151,687)
  L2 w10: v2(997,715) 1012,715
  L4 w10: v3(2151,687) 2184.21,653.79 U5.11@2282.5,653.79
NetU5_12: U5.12 U8.29 | length 1103
  L1 w8: v2(1532,642) 1532,652 1522,662 1484,662 1484,693 1560,769 1560,820 1569.84,829.84 U8.29@1569.84,855.54
  L2 w8: v2(1532,642) 1532,652 1525,659 1535,669 1992,669 2025,636 2124,636 v3(2143,655)
  L4 w8: v3(2143,655) 2149,649 2151,649 2165.9,634.1 U5.12@2282.5,634.1
NetU5_13: U5.13 U10.29 | length 583.5
  L1 w8: v4(2679,707) 2671,715 2671,797 2682.3,808.3 U10.29@2682.3,847.7
  L2 w8: v3(2468,640) 2612,640 v4(2679,707)
  L4 w8: U5.13@2282.5,614.42 2442.42,614.42 v3(2468,640)
NetU5_14: U5.14 U9.29 | length 410
  L1 w8: v4(2093,737) 2105,749 2105,853.7 U9.29@2105.84,854.54
  L4 w8: v4(2093,737) 2095.2,734.8 2095.2,662.8 v4(2098,660) ; v4@2099,654 2158.27,594.73 U5.14@2282.5,594.73
NetU5_17: U5.17
NetU5_27: U5.27 U7.1 | length 1054.9
  L1 w8: v4(1418,631) 1455,594 v2(1455,370)
  L2 w8: v2(1455,370) 1464.64,370 1486.51,348.13 1534,348.13 1555.87,370 1855.13,370 1877,348.13 1960.13,348.13 v3(1974,362)
  L4 w8: v4(1418,631) 1418,635.46 1468.54,686 U7.1@1477.52,686 ; v3(1974,362) 1977,365 1981,365 2014.79,398.79 U5.27@2014.79,484.5
NetU6_1: U6.1 U8.2 | length 631.1
  L1 w8: U6.1@1053.46,885.1 1154.2,885.1 v2(1155.1,886) ; v2@1607,902.79 U8.2@1656.46,902.79
  L2 w8: v2(1155.1,886) 1322,886 1347,861 1564,861 1606,903 v2(1607,903)
NetU8_1: U8.1
NetU9_1: U9.1 U10.2 | length 606.2
  L1 w10: U9.1@2192.46,882.1 2195.9,882.1 2220,858 v2(2223,858) ; v2(2668,881) 2682.8,895.8 2768.06,895.8 U10.2@2768.91,894.95
  L2 w10: v2(2223,858) 2226.8,854.2 2642.2,854.2 2668,880 v2(2668,881)
NetU9_2: U9.2
VCC=3.3V: C15.1 C23.1 C29.1 C30.1 C31.1 C34.1 C37.1 C38.1 C40.1 C41.1 C44.1 C45.1 C56.1 C57.2 C74.1 C75.1 C95.1 C97.1 C108.1 C110.1 M1.10 M2.1 M2.2 P1.1 R19.1 R20.1 R36.2 R38.2 R39.2 R43.2 R44.2 R59.2 R69.2 R70.2 R84.2 R86.2 R98.2 R100.2 R113.2 R114.2 TP2.1 TrET1.2 TrET1.7 U3.9 U4.23 U5.10 U5.19 U5.26 U5.38 U5.57 U6.23 U7.8 U8.23 U9.23 U10.23 | length 12714.2
  L1 w8: C30.1@169,648 C29.1@169,698 188,698 ; v2(204,685) 191,698 188,698 ; U4.23@258.61,894.79 234.79,894.79 225,885 225,735 188,698 ; v2(339,715) 339,687 R43.2@338,686 343,681 R44.2@343,614 ; v2(765,647) 735,647 C56.1@734,648 734,691 C57.2@735,692 v2(765,692) ; v6(819,694) 813.79,699.21 813.79,904.79 U6.23@860.54,904.79 ; v2(834,615) 836,617 R70.2@935,617 R69.2@935,692 933,694 v2(910,694) ; C74.1@1342,659 1342,706 C75.1@1343,707 1366,707 v4(1367,708) ; v1(1406,893) 1415.79,902.79 U8.23@1463.54,902.79 1487.21,902.79 v1(1489,901) ; R86.2@1522,688 1522,702 1544,724 v2(1558,724) ; R39.2@1547,1908 R39.2@1548,1907 ; v1@1548,1778 R38.2@1548,1809 R39.2@1548,1907 ; v2(1580,1906) 1549,1906 R39.2@1548,1907 ; R84.2@1599,475 1599,503 1604,508 v1(1659,508) ; C97.1@1861,666 1861,705 C95.1@1862,706 1875,706 v2(1904,741) ; v1(1927.2,708.2) 1927.2,712.2 1928,713 1928,731 1944.79,747.79 1944.79,901.79 U9.23@1999.54,901.79 ; v2@2042.95,740 2042,722 R100.2@2077,687 R98.2@2077,614 2074,611 v4(2045,611) ; v4(2174,403) 2258.25,403 2267.25,412 2303,412 2351,460 2351,673 2349,673 v4(2348,672) ; C15.1@2381,2316 2451,2316 2461.95,2305.05 U3.9@2502.52,2305.05 ; v4(2456,690) 2427,690 C110.1@2426,691 C108.1@2426,646 2450,646 2468,664 v2(2468,666) ; v1(2540,875) 2559.95,894.95 U10.23@2576,894.95 ; R36.2@2599,2089 v1(2621,2089) ; v2(2614,680) 2632,680 R113.2@2642,670 2644,668 R114.2@2644,599 2668,623 v2(2668,632) ; R19.1@2940,765 2940,824 P1.1@2943,827 ; M1.10@3356,857 3356,797 v2(3358,795)
  L1 w20: C31.1@314,423.8 314,543 343,572 R44.2@343,614
  L2 w8: v2(204,685) 305,685 335,715 v2(339,715) 378,715 401,692 v2(765,692) ; v2(765,647) 761,647 793,615 v2(834,615) ; v6(819,694) v2(910,694) ; v4(1367,708) 1536.34,708 1552.34,724 v2(1558,724) ; v1(1406,893) 1463,950 v3@1719,950 ; v2(1580,1906) 1585,1901 1592,1901 1619,1874 1619,1832 1696,1755 1973,1755 v3(2045,1827) 2222,1827 2323,1928 v8(2321,1928) ; v2(1904,741) 1906.8,743.8 2026.54,743.8 2029.34,741 2043,741 v2(2043,740) ; v3(2033,556) 2034,555 v3(2099,555) ; v2(2468,666) 2468.8,665.2 2599.2,665.2 v2(2614,680) ; v3(2529,618) 2654,618 v2(2668,632) ; v3(2540,756) 2872,756 P1.1@2943,827 2975,795 v2(3358,795)
  L3 w8: v6(819,694) 859,654 1252,654 1260,662 v5(1260,668) ; v5(1727,995) 1727,993 1711.2,977.2 1679.2,977.2 1674,972 1674,875 1689.2,859.8 1689.2,851.8 1700.8,840.2 1717.2,840.2 1771,894 1937,894 1937,867.8 1941.8,863 1941.8,841.8 1927.2,827.2 v1(1927.2,708.2) 1927.2,644.2 1908.2,625.2 1908.2,597.2 1925.4,580 2009,580 v3(2033,556) ; v8(2321,1928) 2321,2046 v5(2479,2204)
  L4 w8: v5(1260,668) 1278,686 U7.8@1292.48,686 1292.48,695.48 1305,708 v4(1367,708) 1406,747 v1(1406,893) ; R59.2@1400,1193 1400,1205 C45.1@1443,1248 ; v1(1489,901) 1489,1202 C45.1@1443,1248 ; v1(1545,1775) 1542,1775 1501,1734 1443,1734 C45.1@1443,1248 ; v1(1659,508) 1659,480 C41.1@1662,477 1693,477 1697.2,472.8 1697.2,472.11 1704.11,465.2 1758.2,465.2 1794.7,501.7 1794.7,637.87 1808.63,651.81 1880.81,651.81 ; C40.1@1691,965 1735,965 ; v3(1717,949) 1733,949 1735,951 1735,965 ; v5(1727,995) 1734,995 C37.1@1764,965 ; C37.1@1765,964 C37.1@1764,965 ; U5.38@1845.5,653.79 1886.79,653.79 1897,664 1897,679 1927,709 1927.2,708.8 v1(1927.2,708.2) ; v3(2033,556) v3@2034.47,556 ; U5.26@2034.47,484.5 v3@2034.47,556 ; v4(2045,611) 2034.47,600.47 v3@2034.47,556 ; v3(2045,1827) 2043,1829 C44.1@2043,1865 C38.1@2126,1865 ; U5.57@2073.84,921.5 2071.86,919.53 2071.86,884.64 2064,876.78 2064,653 2140,577 2140,547 2139,546 ; v3(2099,555) 2108,546 2139,546 ; v4(2174,403) 2182,403 2182,437.22 2174.25,444.98 2174.25,482.52 U5.19@2172.27,484.5 2172.27,530.73 2157,546 2139,546 ; U5.10@2282.5,673.47 v4@2347,673.47 ; v4@2347,673 v4(2348,672) ; v4@2348,673.47 2375.11,673.47 2377.38,671.2 2394.62,671.2 2396.89,673.47 2450.07,673.47 2456,679.4 v4(2456,690) ; TrET1.2@2408,2445 2300,2445 2280,2425 2280,2208 2293,2195 TrET1.7@2408,2195 2443,2195 2460,2178 ; v5(2479,2204) 2460,2185 2460,2178 ; v3(2529,618) 2540,629 v3(2540,756) v1(2540,875) ; v1(2621,2089) 2501,2089 2460,2130 2460,2178 ; 1735,965 C37.1@1764,965
VCC=5V: C2.1 C3.1 C8.1 C9.2 L1.2 P2.21 P2.22 R2.1 R5.1 R17.2 TP1.1@4133,445 U2.3 | length 320.9
  L1 w20: P2.22@3011,289 3027,289 3059,257 C3.1@3059,211 3059,196 3026,163 C2.1@3026,111
  L4 w20: P2.21@2911,289 P2.22@3011,289
VDD=3.3V: C13.1 L3.1 R22.2 | length 505.8
  L1 w10: L3.1@2171,2485 L3.1@2172,2484 ; v6(2172,2442) L3.1@2172,2484 ; C13.1@2229,2468 2213,2484 L3.1@2172,2484 ; v6(2301,2173) 2301,2172 R22.2@2340,2172
  L3 w10: v6(2172,2442) 2175,2442 2216.2,2400.8 2216.2,2198.8 2242,2173 v6(2301,2173)
pads on no net: D6.NC J1.A J1.B M1.9 M2.3 M2.4 M2.5 M2.6 M2.7 M2.8 M2.10 M2.13 M2.14 M2.16 M2.17 M2.18 R35.1 TP1.1@3400,444 TrET1.4 TrET1.5 TrET1.12 TrET1.13 U1.4@3494.87,255.49 U1.10 U1.11 U1.12 U1.13 U1.14 U1.15 U1.16 U1.17 U4.6 U4.7 U4.24 U4.28 U5.34 U5.35 U5.36 U5.37 U5.62 U6.3 U6.6 U6.7 U6.24 U6.28 U7.7 U8.3 U8.6 U8.7 U8.24 U8.28 U9.3 U9.6 U9.7 U9.24 U9.28 U10.1 U10.3 U10.6 U10.7 U10.24 U10.28 Y2.3 Y3.3
copper on no net: | length 126.2
  L1 w10: 6,110 ccw(c85.5,98.5) 74,19

## Keep-outs
Keep-Out Layer:
  lines w19.68: -6,-75 -6,1587 ; -3,1600 1279,1600 1279,2607 2934,2607 2934,1617 ; 0,22 4192,22 4192,1600 2934,1600

## Silkscreen, mask and mechanical layers (free items; w line width, h text height)
Top Overlay:
  lines w5: 219,1374 1782,1374 ; 296,1067 2888,1067 ; 391,1208 3184,1208 ; 1796,524 1796,1087 ; 2361,1131 2361,427 2364,424
  lines w10: -758.57,2598.43 5353.27,2598.43 ; -440,57.85 -420,-2.15 ; -440,2536.27 -420,2596.27 ; -430,-2.15 -410,-2.15 ; -430,2596.27 -410,2596.27 ; -420,906.18 -420,-2.15 ; -420,1687.94 -420,2596.27 ; -400,57.85 -420,-2.15 ; -400,2536.27 -420,2596.27 ; -216.85,60 -196.85,0 ; -216.85,1514.8 -196.85,1574.8 ; -206.85,0 -186.85,0 ; -206.85,1574.8 -186.85,1574.8 ; -196.85,396.52 -196.85,0 ; -196.85,1178.28 -196.85,1574.8 ; -196.85,1596.28 4185,1596.28 ; -176.85,60 -196.85,0 ; -176.85,1514.8 -196.85,1574.8 ; 0,22 4192,22 ; 10.32,-206.02 10.32,-186.02 ; 18,564 583,564 ; 70.32,-216.02 10.32,-196.02 ; 70.32,-176.02 10.32,-196.02 ; 1311.85,2675.99 1311.85,2695.99 ; 1317.96,2489.96 1317.96,2922 ; 1371.85,2665.99 1311.85,2685.99 ; 1371.85,2705.99 1311.85,2685.99 ; 1706.05,-196.01 10.32,-196.02 ; 1738.06,2685.99 1311.85,2685.99 ; 2423.1,-2049.57 2423.23,-2069.57 ; 2483.04,-2039.18 2423.17,-2059.57 ; 2483.29,-2079.18 2423.17,-2059.57 ; 2487.81,-196.01 4183.55,-196 ; 2499.82,2685.99 2926.04,2685.99 ; 2592.79,-2058.49 2423.17,-2059.57 ; 2866.04,2665.99 2926.04,2685.99 ; 2866.04,2705.99 2926.04,2685.99 ; 2926.04,2675.99 2926.04,2695.99 ; 2938,1613 2938,2945 ; 3102,780 3103,781 ; 3354.54,-2053.64 3524.17,-2052.57 ; 3464.04,-2032.95 3524.17,-2052.57 ; 3464.3,-2072.95 3524.17,-2052.57 ; 3524.1,-2042.57 3524.23,-2062.57 ; 4123.55,-216 4183.55,-196 ; 4123.55,-176 4183.55,-196 ; 4183.55,-206 4183.55,-186 ; 4192,0 5429,0 5438,9 ; 5333.36,2538.39 5353.27,2598.43 ; 5337.23,59.97 5357.33,0 ; 5343.27,2598.41 5363.27,2598.44 ; 5347.33,-0.02 5367.33,0.02 ; 5354.68,1695.09 5353.27,2598.43 ; 5355.91,903.34 5357.33,0 ; 5373.36,2538.46 5353.27,2598.43 ; 5377.23,60.03 5357.33,0 ; 5446,0 5460,-14
  lines w19.68: -9,1595 1296,1595 1306,1605 ; -3,1600 -3,25 0,22 ; 1302,2592 1302,1609 1306,1605 ; 1305,2607 2923,2607 2934,2596 ; 1310,1609 1306,1605 ; 2934,1617 2938,1613 ; 2934,2607 2934,1605 2929,1600 4163,1600 4168,1595 ; 4192,22 4192,1600
  text "1614.192 (mil)" at 1748.06,2650 h60
  text "2598.428 (mil)" at 5318.7,1685.03 h60 r270.09
  text "2598.414 (mil)" at -384.01,916.18 h60 r90
  text "1574.803 (mil)" at -160.86,406.52 h60 r90
  text "4173.228 (mil)" at 1716.05,-232 h60
  text "1101.022 (mil)" at 2603.02,-2094.41 h60 r0.36
Bottom Overlay:
  lines w10: -348,52.84 -328,-7.16 ; -348,2531.28 -328,2591.28 ; -338,-7.16 -318,-7.16 ; -338,2591.28 -318,2591.28 ; -328,896.18 -328,-7.16 ; -328,1687.94 -328,2591.28 ; -308,52.84 -328,-7.16 ; -308,2531.28 -328,2591.28 ; -200.99,61.54 -180.99,1.54 ; -200.99,1516.34 -180.99,1576.34 ; -193,1605 -180,1592 -3,1592 ; -190.99,1.54 -170.99,1.54 ; -190.99,1576.34 -170.99,1576.34 ; -180.99,398.06 -180.99,1.54 ; -180.99,1179.82 -180.99,1576.34 ; -160.99,61.54 -180.99,1.54 ; -160.99,1516.34 -180.99,1576.34 ; 0.02,-173 -0.02,-153 ; 59.96,-142.89 0,-163 ; 60.04,-182.88 0,-163 ; 1279,1616 1279,3212 ; 1293.29,3022 1293.29,3042 ; 1313.28,2591.28 -328,2591.28 ; 1353.29,3012 1293.29,3032 ; 1353.29,3052 1293.29,3032 ; 1695.74,-159.75 0,-163 ; 1719.5,3032 1293.29,3032 ; 2477.49,-158.25 4173.23,-155 ; 2481.27,3032 2907.48,3032 ; 2847.48,3012 2907.48,3032 ; 2847.48,3052 2907.48,3032 ; 2907.48,3022 2907.48,3042 ; 2924,2695 2924,1616 2940,1600 ; 2932,1600 2932,3146 ; 4113.19,-135.12 4173.23,-155 ; 4113.27,-175.11 4173.23,-155 ; 4173.21,-145 4173.25,-165
  lines w19.68: -3,16 -3,1592 5,1600 1267,1600 1275,1608 1275,2607 2936,2607 ; 5,20 4194,20 4185,29 4185,1583 4168,1600 2932,1600
  text "1614.192 (mil)" at 1729.5,2996.01 h60
  text "2598.438 (mil)" at -292.01,906.18 h60 r90
  text "1574.803 (mil)" at -145,408.06 h60 r90
  text "4173.236 (mil)" at 1705.81,-195.72 h60 r0.11
Mechanical 1:
  lines w10: 3,31 -2,26 4180,26 4187,19 ; 1223,2092 1230,2099

## Text inside footprints (layer, text, board x,y; h text height)
BT1: Top Overlay "+" at 4102.28,737.49 h45.28 r270